# Altium PCB Main_PCB.PcbDoc (part 4 of 13)
Units mil, origin at the board's own origin, x right, y up, seen from the top; angles counter-clockwise.
Board outline 5200 x 6000 mil, 12 copper layers (Top (L1), Int1 (l2), Int2 (L3), Int3 (L4), Int4 (L5), Int5 (L6), Int6 (L7), Int7 (L8), Int8 (L9), Int9 (L10), Int10 (L11), Bot (L12)), stack 94.81 mil thick; 88 components, 424 nets, 1789 pads, 1684 vias.
Unrouted connection lines stored in the file: 914.
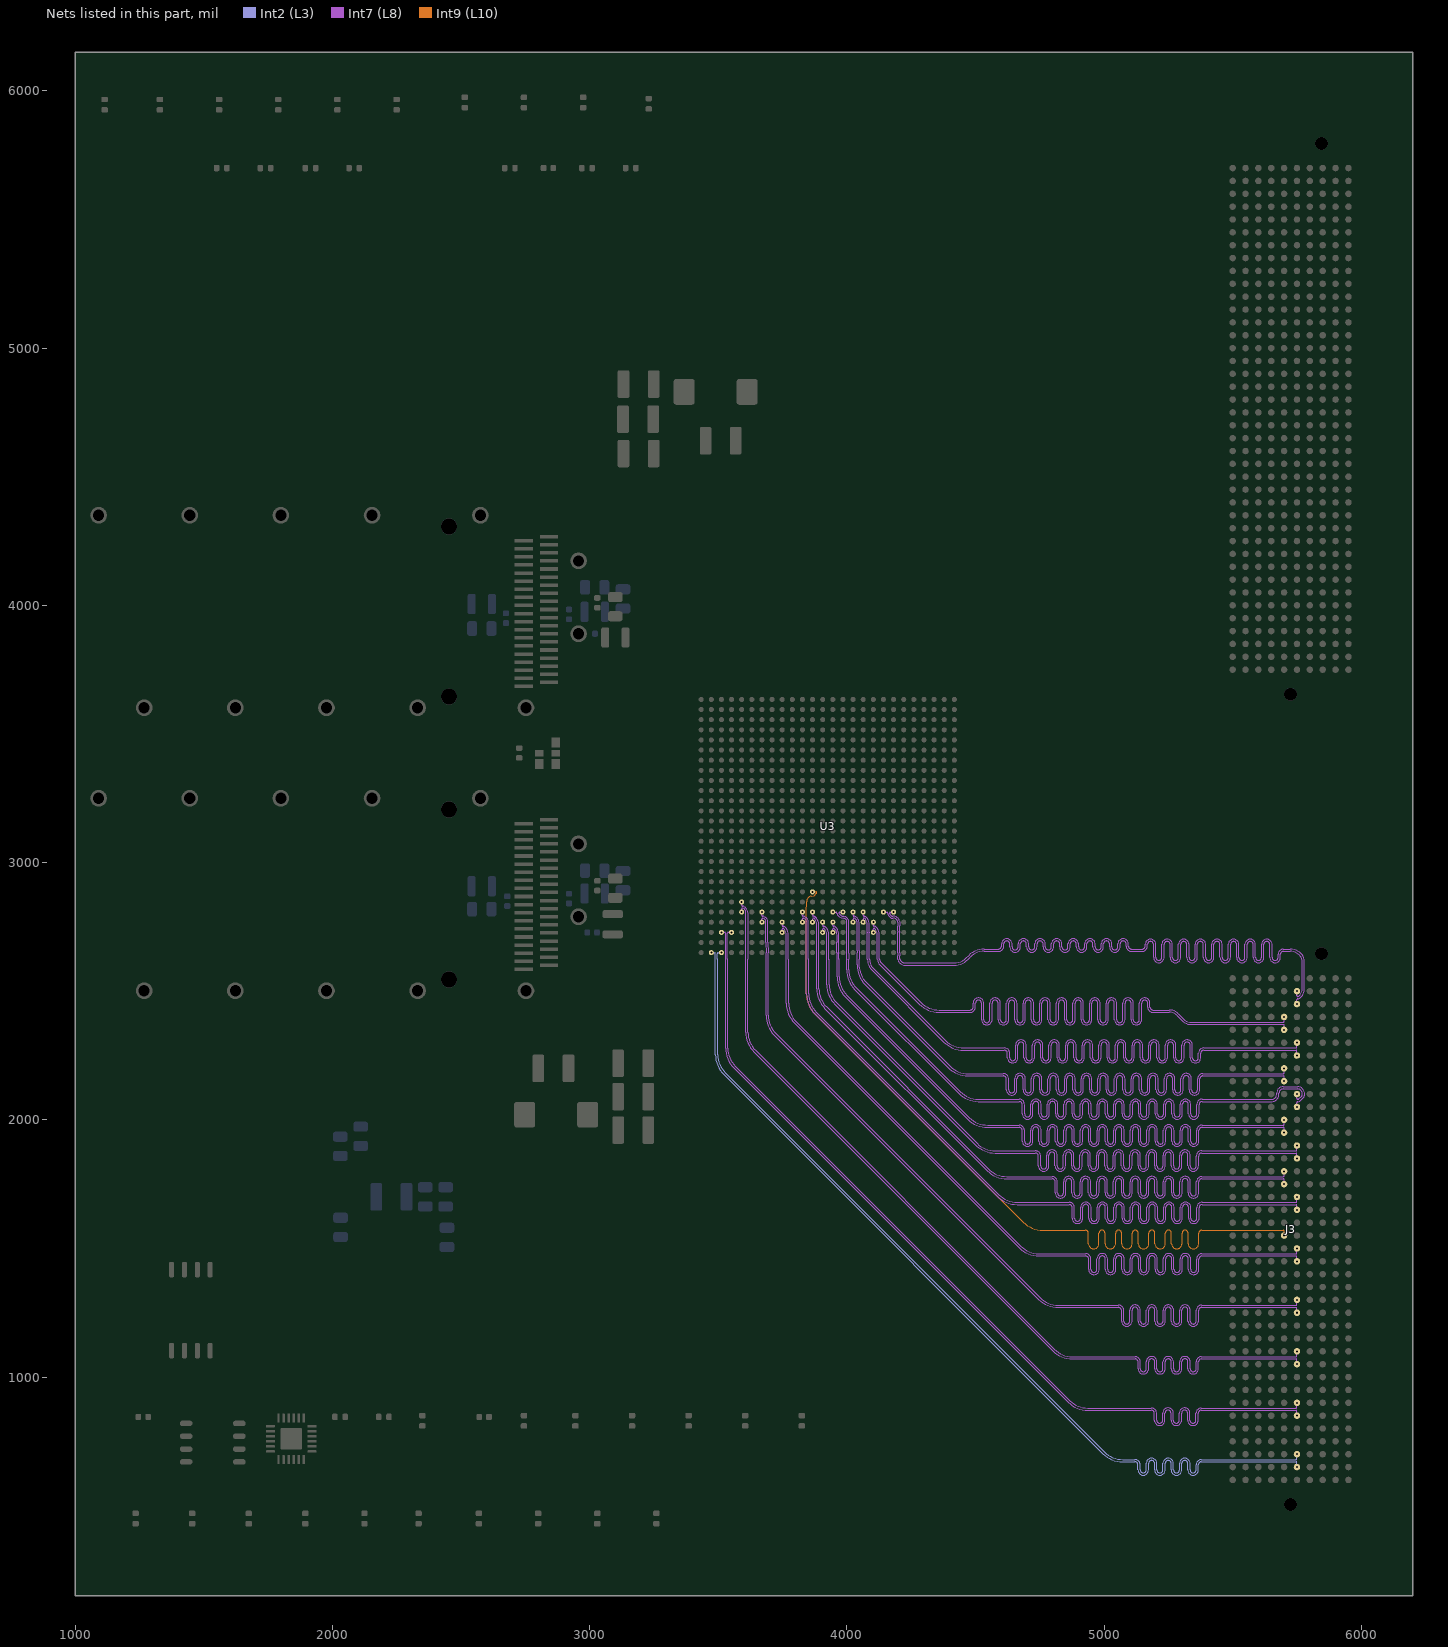
[diagram p14: the nets of this part, all layers, seen from the top]

## Via types
v1: diameter 13.78, hole 7.87, Top (L1) to Bot (L12), tented both sides, 1680 vias
v2: diameter 19.68, hole 7.87, Top (L1) to Bot (L12), tented both sides, 4 vias

## Nets (pads, with @x,y where several pads share a name; then routed paths per layer and width w, separated by ;. In a path a pad name is that pad's centre, name@x,y a point inside that pad or via, vN(x,y) a via of type N, cw(c..) or ccw(c..) an arc to the next point about the centre after c; other vN are vias at no path point) (continued)
HPCC_A_25_N: J3.E3 U3.AB20 | length 3581.2
  Int7 (L8) w3.5: v1(4181.89,2807.48) 4169.45,2807.48 ccw(c4169.45,2803.98) 4166.98,2806.46 ccw(c4169.46,2803.98) 4165.95,2803.98 ccw(c4174.4,2803.98) 4168.43,2798.01 4174.57,2791.86 ccw(c4177.03,2794.35) 4177.65,2790.91 cw(c4181.89,2768.11) 4205.04,2769.5 4205.98,2753.75 cw(c4195,2753.07) 4206,2753.22 cw(c4198.5,2753.1) 4206,2753.13 4206,2733.46 cw(c4195,2733.5) 4205.83,2731.57 ccw(c4221.26,2728.74) 4205.57,2728.74 4205.57,2650 ccw(c4221.26,2650) 4205.58,2649.41 4205.99,2637.32 4205.99,2636.89 ; 4205.99,2636.87 4205.99,2625 4206.23,2624.76 cw(c4203.68,2622.2) 4207.29,2622.2 ccw(c4210.91,2622.2) 4208.35,2619.65 4213,2615 ccw(c4225.07,2627.07) 4225.07,2610 4416.72,2610 ccw(c4416.72,2678.28) 4465,2630 4473.2,2638.2 cw(c4535,2576.41) 4535,2663.8 4583.53,2663.8 4589.68,2663.8 ccw(c4589.68,2675.55) 4601.43,2675.55 4601.43,2683.73 cw(c4621.98,2683.73) 4642.53,2683.73 4642.53,2672.12 ccw(c4654.28,2672.12) 4666.03,2672.12 4666.03,2683.73 cw(c4686.58,2683.73) 4707.13,2683.73 4707.13,2672.12 ccw(c4718.88,2672.12) 4730.63,2672.12 4730.63,2683.73 cw(c4751.18,2683.73) 4771.73,2683.73 4771.73,2672.12 ccw(c4783.48,2672.12) 4795.23,2672.12 4795.23,2683.73 cw(c4815.78,2683.73) 4836.33,2683.73 4836.33,2672.12 ccw(c4848.08,2672.12) 4859.83,2672.12 4859.83,2683.73 cw(c4880.38,2683.73) 4900.93,2683.73 4900.93,2672.12 ccw(c4912.68,2672.12) 4924.43,2672.12 4924.43,2683.73 cw(c4944.98,2683.73) 4965.53,2683.73 4965.53,2672.12 ccw(c4977.28,2672.12) 4989.03,2672.12 4989.03,2683.73 cw(c5009.58,2683.73) 5030.13,2683.73 5030.13,2672.12 ccw(c5041.88,2672.12) 5053.63,2672.12 5053.63,2683.73 cw(c5074.18,2683.73) 5094.73,2683.73 5094.73,2675.55 ccw(c5106.48,2675.55) 5106.48,2663.8 5135.42,2663.8 5142.16,2663.8 5148.31,2663.8 ccw(c5148.31,2675.55) 5160.06,2675.55 5160.06,2681.65 cw(c5180.61,2681.65) 5201.16,2681.65 5201.16,2631.32 ccw(c5212.91,2631.32) 5224.66,2631.32 5224.66,2681.65 cw(c5245.21,2681.65) 5265.76,2681.65 5265.76,2631.32 ccw(c5277.51,2631.32) 5289.26,2631.32 5289.26,2681.65 cw(c5309.81,2681.65) 5330.36,2681.65 5330.36,2631.32 ccw(c5342.11,2631.32) 5353.86,2631.32 5353.86,2681.65 cw(c5374.41,2681.65) 5394.96,2681.65 5394.96,2631.32 ccw(c5406.71,2631.32) 5418.46,2631.32 5418.46,2681.65 cw(c5439.01,2681.65) 5459.56,2681.65 5459.56,2631.32 ccw(c5471.31,2631.32) 5483.06,2631.32 5483.06,2681.65 cw(c5503.61,2681.65) 5524.16,2681.65 5524.16,2631.32 ccw(c5535.91,2631.32) 5547.66,2631.32 5547.66,2681.65 cw(c5568.21,2681.65) 5588.76,2681.65 5588.76,2631.32 ccw(c5600.51,2631.32) 5612.26,2631.32 5612.26,2681.65 cw(c5632.81,2681.65) 5653.36,2681.65 5653.36,2631.32 ccw(c5665.11,2631.32) 5676.86,2631.32 5676.86,2643.25 cw(c5697.41,2643.25) 5697.41,2663.8 5723,2663.8 5723.79,2663.8 cw(c5723.79,2603.79) 5766.22,2646.22 cw(c5735.86,2615.86) 5778.8,2615.86 5778.8,2505 cw(c5744.53,2505) 5768.76,2480.77 5762.2,2474.2 cw(c5753.5,2482.9) 5753.5,2470.6 ccw(c5753.5,2467.1) 5751.03,2469.57 ccw(c5753.5,2467.1) 5750,2467.1 v1(5750,2450)
HPCC_A_25_P: J3.E2 U3.AB19 | length 3566.7
  Int7 (L8) w3.5: v1(4142.52,2807.48) 4154.95,2807.48 cw(c4154.95,2803.98) 4157.43,2806.46 cw(c4154.95,2803.98) 4158.45,2803.98 ; 4158.45,2803.94 ccw(c4174.31,2803.94) 4163.1,2792.73 ; 4163.13,2792.7 4169.28,2786.55 ccw(c4177.03,2794.35) 4179,2783.53 cw(c4181.89,2768.11) 4197.55,2768.99 4198.49,2753.28 cw(c4195,2753.07) 4198.5,2753.1 4198.5,2733.47 cw(c4195,2733.5) 4198.45,2732.9 ccw(c4221.26,2728.74) 4198.07,2728.74 4198.07,2650 ccw(c4221.26,2650) 4198.09,2649.15 4198.5,2637.06 4198.49,2634.22 4198.49,2625 ccw(c4217.66,2625) 4204.11,2611.45 4206.78,2608.78 ; 4206.78,2608.77 ccw(c4225.07,2627.07) 4225.07,2601.2 4416.72,2601.2 ccw(c4416.72,2678.28) 4471.22,2623.78 4479.43,2631.98 cw(c4535,2576.41) 4535,2655 4583.53,2655 4589.68,2655 ccw(c4589.68,2675.55) 4610.23,2675.55 4610.23,2683.73 cw(c4621.98,2683.73) 4633.73,2683.73 4633.73,2672.12 ccw(c4654.28,2672.12) 4674.83,2672.12 4674.83,2683.73 cw(c4686.58,2683.73) 4698.33,2683.73 4698.33,2672.12 ccw(c4718.88,2672.12) 4739.43,2672.12 4739.43,2683.73 cw(c4751.18,2683.73) 4762.93,2683.73 4762.93,2672.12 ccw(c4783.48,2672.12) 4804.03,2672.12 4804.03,2683.73 cw(c4815.78,2683.73) 4827.53,2683.73 4827.53,2672.12 ccw(c4848.08,2672.12) 4868.63,2672.12 4868.63,2683.73 cw(c4880.38,2683.73) 4892.13,2683.73 4892.13,2672.12 ccw(c4912.68,2672.12) 4933.23,2672.12 4933.23,2683.73 cw(c4944.98,2683.73) 4956.73,2683.73 4956.73,2672.12 ccw(c4977.28,2672.12) 4997.83,2672.12 4997.83,2683.73 cw(c5009.58,2683.73) 5021.33,2683.73 5021.33,2672.12 ccw(c5041.88,2672.12) 5062.43,2672.12 5062.43,2683.73 cw(c5074.18,2683.73) 5085.93,2683.73 5085.93,2675.55 ccw(c5106.48,2675.55) 5106.48,2655 5135.42,2655 5142.16,2655 5148.31,2655 ccw(c5148.31,2675.55) 5168.86,2675.55 5168.86,2681.65 cw(c5180.61,2681.65) 5192.36,2681.65 5192.36,2631.32 ccw(c5212.91,2631.32) 5233.46,2631.32 5233.46,2681.65 cw(c5245.21,2681.65) 5256.96,2681.65 5256.96,2631.32 ccw(c5277.51,2631.32) 5298.06,2631.32 5298.06,2681.65 cw(c5309.81,2681.65) 5321.56,2681.65 5321.56,2631.32 ccw(c5342.11,2631.32) 5362.66,2631.32 5362.66,2681.65 cw(c5374.41,2681.65) 5386.16,2681.65 5386.16,2631.32 ccw(c5406.71,2631.32) 5427.26,2631.32 5427.26,2681.65 cw(c5439.01,2681.65) 5450.76,2681.65 5450.76,2631.32 ccw(c5471.31,2631.32) 5491.86,2631.32 5491.86,2681.65 cw(c5503.61,2681.65) 5515.36,2681.65 5515.36,2631.32 ccw(c5535.91,2631.32) 5556.46,2631.32 5556.46,2681.65 cw(c5568.21,2681.65) 5579.96,2681.65 5579.96,2631.32 ccw(c5600.51,2631.32) 5621.06,2631.32 5621.06,2681.65 cw(c5632.81,2681.65) 5644.56,2681.65 5644.56,2631.32 ccw(c5665.11,2631.32) 5685.66,2631.32 5685.66,2643.25 cw(c5697.41,2643.25) 5697.41,2655 5723,2655 5723.79,2655 cw(c5723.79,2603.79) 5760,2640 cw(c5735.86,2615.86) 5770,2615.86 5770,2505 cw(c5744.53,2505) 5762.54,2486.99 5755.97,2480.43 ; v1(5750,2500) 5750,2482.9 ccw(c5753.5,2482.9) 5751.03,2480.43 ccw(c5753.5,2482.9) 5753.5,2479.4 ccw(c5753.5,2482.9) 5755.97,2480.42
HPCC_A_26_N: J3.E7 U3.AC17 | length 3568.3
  Int7 (L8) w3.5: v1(4063.78,2768.11) 4063.78,2780.55 cw(c4067.28,2780.55) 4064.8,2783.02 cw(c4067.28,2780.55) 4067.28,2784.05 cw(c4067.28,2780.55) 4069.75,2783.02 cw(c4045.02,2758.29) 4080,2758.29 4080,2730.15 cw(c4076.5,2730.15) 4080,2729.97 ccw(c4103.15,2728.74) 4079.97,2728.02 cw(c4076.48,2727.86) 4079.98,2727.86 4079.98,2690.23 cw(c4076.48,2690.26) 4079.98,2690.16 ccw(c4103.15,2689.37) 4079.96,2689.37 4079.96,2650 ; 4079.98,2649.14 ccw(c4076.48,2649.11) 4079.98,2649.21 cw(c4103.15,2650) 4079.96,2650 ; 5466.35,2270.6 5413.08,2270.6 5387.65,2270.6 ccw(c5387.65,2258.85) 5375.9,2258.85 5375.9,2241.77 cw(c5355.35,2241.77) 5334.8,2241.77 5334.8,2290.26 ccw(c5323.05,2290.26) 5311.3,2290.26 5311.3,2241.77 cw(c5290.75,2241.77) 5270.2,2241.77 5270.2,2290.26 ccw(c5258.45,2290.26) 5246.7,2290.26 5246.7,2241.77 cw(c5226.15,2241.77) 5205.6,2241.77 5205.6,2290.26 ccw(c5193.85,2290.26) 5182.1,2290.26 5182.1,2241.77 cw(c5161.55,2241.77) 5141,2241.77 5141,2290.26 ccw(c5129.25,2290.26) 5117.5,2290.26 5117.5,2241.77 cw(c5096.95,2241.77) 5076.4,2241.77 5076.4,2290.26 ccw(c5064.65,2290.26) 5052.9,2290.26 5052.9,2241.77 cw(c5032.35,2241.77) 5011.8,2241.77 5011.8,2290.26 ccw(c5000.05,2290.26) 4988.3,2290.26 4988.3,2241.77 cw(c4967.75,2241.77) 4947.2,2241.77 4947.2,2290.26 ccw(c4935.45,2290.26) 4923.7,2290.26 4923.7,2241.77 cw(c4903.15,2241.77) 4882.6,2241.77 4882.6,2290.26 ccw(c4870.85,2290.26) 4859.1,2290.26 4859.1,2241.77 cw(c4838.55,2241.77) 4818,2241.77 4818,2290.26 ccw(c4806.25,2290.26) 4794.5,2290.26 4794.5,2241.77 cw(c4773.95,2241.77) 4753.4,2241.77 4753.4,2290.26 ccw(c4741.65,2290.26) 4729.9,2290.26 4729.9,2241.77 cw(c4709.35,2241.77) 4688.8,2241.77 4688.8,2290.26 ccw(c4677.05,2290.26) 4665.3,2290.26 4665.3,2241.77 cw(c4644.75,2241.77) 4624.2,2241.77 4624.2,2258.85 ccw(c4612.45,2258.85) 4612.45,2270.6 4574,2270.6 4454.02,2270.6 cw(c4454.02,2379.4) 4377.09,2302.47 4097.93,2581.63 cw(c4141.3,2625) 4079.96,2625 4079.96,2650 ; 5467.13,2270.6 5746.5,2270.6 cw(c5746.5,2267.1) 5748.97,2269.57 cw(c5746.5,2267.1) 5750,2267.1 v1(5750,2250)
HPCC_A_26_P: J3.E6 U3.AB17 | length 3567.8
  Int7 (L8) w3.5: v1(4063.78,2807.48) 4063.78,2795.05 ccw(c4067.28,2795.05) 4064.8,2792.57 ccw(c4067.28,2795.05) 4067.28,2791.55 4067.33,2791.55 cw(c4067.33,2780.67) 4075.02,2788.36 4075.09,2788.3 cw(c4045.11,2758.32) 4087.5,2758.32 4087.5,2730.15 cw(c4076.5,2730.15) 4087.48,2729.58 ccw(c4103.15,2728.74) 4087.48,2728 4087.48,2690.22 cw(c4076.48,2690.26) 4087.47,2689.92 ccw(c4103.15,2689.37) 4087.46,2689.37 4087.46,2650 ; 4087.48,2649.16 ccw(c4076.48,2649.11) 4087.47,2649.45 cw(c4103.15,2650) 4087.46,2650 ; v1(5750,2300) 5750,2282.9 cw(c5746.5,2282.9) 5748.97,2280.43 cw(c5746.5,2282.9) 5746.5,2279.4 5413.08,2279.4 5387.65,2279.4 ccw(c5387.65,2258.85) 5367.1,2258.85 5367.1,2241.77 cw(c5355.35,2241.77) 5343.6,2241.77 5343.6,2290.26 ccw(c5323.05,2290.26) 5302.5,2290.26 5302.5,2241.77 cw(c5290.75,2241.77) 5279,2241.77 5279,2290.26 ccw(c5258.45,2290.26) 5237.9,2290.26 5237.9,2241.77 cw(c5226.15,2241.77) 5214.4,2241.77 5214.4,2290.26 ccw(c5193.85,2290.26) 5173.3,2290.26 5173.3,2241.77 cw(c5161.55,2241.77) 5149.8,2241.77 5149.8,2290.26 ccw(c5129.25,2290.26) 5108.7,2290.26 5108.7,2241.77 cw(c5096.95,2241.77) 5085.2,2241.77 5085.2,2290.26 ccw(c5064.65,2290.26) 5044.1,2290.26 5044.1,2241.77 cw(c5032.35,2241.77) 5020.6,2241.77 5020.6,2290.26 ccw(c5000.05,2290.26) 4979.5,2290.26 4979.5,2241.77 cw(c4967.75,2241.77) 4956,2241.77 4956,2290.26 ccw(c4935.45,2290.26) 4914.9,2290.26 4914.9,2241.77 cw(c4903.15,2241.77) 4891.4,2241.77 4891.4,2290.26 ccw(c4870.85,2290.26) 4850.3,2290.26 4850.3,2241.77 cw(c4838.55,2241.77) 4826.8,2241.77 4826.8,2290.26 ccw(c4806.25,2290.26) 4785.7,2290.26 4785.7,2241.77 cw(c4773.95,2241.77) 4762.2,2241.77 4762.2,2290.26 ccw(c4741.65,2290.26) 4721.1,2290.26 4721.1,2241.77 cw(c4709.35,2241.77) 4697.6,2241.77 4697.6,2290.26 ccw(c4677.05,2290.26) 4656.5,2290.26 4656.5,2241.77 cw(c4644.75,2241.77) 4633,2241.77 4633,2258.85 ccw(c4612.45,2258.85) 4612.45,2279.4 4574,2279.4 4454.02,2279.4 cw(c4454.02,2379.4) 4383.31,2308.69 4101.93,2590.07 cw(c4133.73,2621.86) 4088.76,2621.86 ccw(c4084.32,2621.86) 4087.46,2625 4087.46,2649.16 4087.46,2650
HPCC_A_27_N: J3.E11 U3.AB15 | length 3581.1
  Int7 (L8) w3.5: v1(3985.04,2807.48) 3972.6,2807.48 ccw(c3972.6,2803.98) 3969.74,2801.97 3972.2,2798.46 ccw(c3985.04,2807.48) 3982.56,2791.99 3988.71,2791.01 cw(c3985.04,2768.11) 4008.23,2768.11 4008.23,2728.74 cw(c3985.04,2728.74) 4008.05,2725.87 cw(c3985.04,2728.74) 4008,2725.51 4008,2692.81 ccw(c4011.5,2692.84) 4008.03,2692.41 cw(c3985.04,2689.37) 4008.23,2689.37 4008.23,2650 cw(c3985.04,2650) 4008.03,2646.96 ccw(c4011.5,2646.53) 4008,2646.56 4008,2625 4008,2583.42 ccw(c4108,2583.42) 4037.29,2512.71 4440.71,2109.29 ccw(c4511.42,2180) 4511.42,2080 4632,2080 4670.45,2080 cw(c4670.45,2059.45) 4691,2059.45 4691,2022.88 ccw(c4702.75,2022.88) 4714.5,2022.88 4714.5,2059.6 cw(c4735.05,2059.6) 4755.6,2059.6 4755.6,2022.88 ccw(c4767.35,2022.88) 4779.1,2022.88 4779.1,2059.6 cw(c4799.65,2059.6) 4820.2,2059.6 4820.2,2022.88 ccw(c4831.95,2022.88) 4843.7,2022.88 4843.7,2059.6 cw(c4864.25,2059.6) 4884.8,2059.6 4884.8,2022.88 ccw(c4896.55,2022.88) 4908.3,2022.88 4908.3,2059.6 cw(c4928.85,2059.6) 4949.4,2059.6 4949.4,2022.88 ccw(c4961.15,2022.88) 4972.9,2022.88 4972.9,2059.6 cw(c4993.45,2059.6) 5014,2059.6 5014,2022.88 ccw(c5025.75,2022.88) 5037.5,2022.88 5037.5,2059.6 cw(c5058.05,2059.6) 5078.6,2059.6 5078.6,2022.88 ccw(c5090.35,2022.88) 5102.1,2022.88 5102.1,2059.6 cw(c5122.65,2059.6) 5143.2,2059.6 5143.2,2022.88 ccw(c5154.95,2022.88) 5166.7,2022.88 5166.7,2059.6 cw(c5187.25,2059.6) 5207.8,2059.6 5207.8,2022.88 ccw(c5219.55,2022.88) 5231.3,2022.88 5231.3,2059.6 cw(c5251.85,2059.6) 5272.4,2059.6 5272.4,2022.88 ccw(c5284.15,2022.88) 5295.9,2022.88 5295.9,2059.6 cw(c5316.45,2059.6) 5337,2059.6 5337,2022.88 ccw(c5348.75,2022.88) 5360.5,2022.88 5360.5,2059.45 cw(c5381.05,2059.45) 5381.05,2080 5415.54,2080 5652.93,2080 ccw(c5652.93,2097.07) 5665,2085 ccw(c5650.03,2099.97) 5671.2,2099.97 5671.2,2102.93 cw(c5697.07,2102.93) 5678.78,2121.22 cw(c5697.07,2102.93) 5697.07,2128.8 5752.93,2128.8 cw(c5752.93,2102.93) 5771.22,2121.22 cw(c5750.51,2100.51) 5779.8,2100.51 5779.8,2099 cw(c5760.49,2099) 5774.14,2085.34 5763.56,2074.76 cw(c5753.5,2084.84) 5753.5,2070.6 ccw(c5753.5,2067.1) 5751.03,2069.57 ccw(c5753.5,2067.1) 5750,2067.1 v1(5750,2050)
HPCC_A_27_P: J3.E10 U3.AB14 | length 3566.4
  Int7 (L8) w3.5: v1(3945.67,2807.48) 3958.1,2807.48 cw(c3958.1,2803.98) 3961.6,2803.98 ccw(c3972.6,2803.98) 3963.6,2797.66 3966.07,2794.15 ccw(c3985.04,2807.48) 3981.37,2784.59 3987.52,2783.6 cw(c3985.04,2768.11) 4000.73,2768.11 4000.73,2728.74 cw(c3985.04,2728.74) 4000.45,2725.82 4000.5,2725.77 4000.5,2692.78 ccw(c4011.5,2692.84) 4000.59,2691.44 cw(c3985.04,2689.37) 4000.73,2689.37 4000.73,2650 cw(c3985.04,2650) 4000.59,2647.94 ccw(c4011.5,2646.53) 4000.5,2646.6 4000.5,2625 ccw(c4003.64,2621.86) 3999.2,2621.86 3999.2,2583.42 ccw(c4108,2583.42) 4031.07,2506.49 4032.2,2505.36 ; 4033.07,2504.49 4434.49,2103.07 ccw(c4511.42,2180) 4511.42,2071.2 4632,2071.2 4670.45,2071.2 cw(c4670.45,2059.45) 4682.2,2059.45 4682.2,2022.88 ccw(c4702.75,2022.88) 4723.3,2022.88 4723.3,2059.6 cw(c4735.05,2059.6) 4746.8,2059.6 4746.8,2022.88 ccw(c4767.35,2022.88) 4787.9,2022.88 4787.9,2059.6 cw(c4799.65,2059.6) 4811.4,2059.6 4811.4,2022.88 ccw(c4831.95,2022.88) 4852.5,2022.88 4852.5,2059.6 cw(c4864.25,2059.6) 4876,2059.6 4876,2022.88 ccw(c4896.55,2022.88) 4917.1,2022.88 4917.1,2059.6 cw(c4928.85,2059.6) 4940.6,2059.6 4940.6,2022.88 ccw(c4961.15,2022.88) 4981.7,2022.88 4981.7,2059.6 cw(c4993.45,2059.6) 5005.2,2059.6 5005.2,2022.88 ccw(c5025.75,2022.88) 5046.3,2022.88 5046.3,2059.6 cw(c5058.05,2059.6) 5069.8,2059.6 5069.8,2022.88 ccw(c5090.35,2022.88) 5110.9,2022.88 5110.9,2059.6 cw(c5122.65,2059.6) 5134.4,2059.6 5134.4,2022.88 ccw(c5154.95,2022.88) 5175.5,2022.88 5175.5,2059.6 cw(c5187.25,2059.6) 5199,2059.6 5199,2022.88 ccw(c5219.55,2022.88) 5240.1,2022.88 5240.1,2059.6 cw(c5251.85,2059.6) 5263.6,2059.6 5263.6,2022.88 ccw(c5284.15,2022.88) 5304.7,2022.88 5304.7,2059.6 cw(c5316.45,2059.6) 5328.2,2059.6 5328.2,2022.88 ccw(c5348.75,2022.88) 5369.3,2022.88 5369.3,2059.45 cw(c5381.05,2059.45) 5381.05,2071.2 5415.54,2071.2 5652.93,2071.2 ccw(c5652.93,2097.07) 5671.22,2078.78 ccw(c5650.03,2099.97) 5680,2099.97 5680,2102.93 cw(c5697.07,2102.93) 5685,2115 cw(c5697.07,2102.93) 5697.07,2120 5752.93,2120 cw(c5752.93,2102.93) 5765,2115 cw(c5750.51,2100.51) 5771,2100.51 5771,2099 cw(c5760.49,2099) 5767.92,2091.57 5757.34,2080.99 cw(c5753.5,2084.84) 5753.5,2079.4 cw(c5753.5,2082.9) 5751.03,2080.43 cw(c5753.5,2082.9) 5750,2082.9 v1(5750,2100)
HPCC_A_28_N: J3.E15 U3.AD13 | length 3576.6
  Int7 (L8) w3.5: v1(3906.3,2728.74) 3906.3,2741.18 cw(c3909.8,2741.18) 3907.32,2743.65 cw(c3909.8,2741.18) 3909.8,2744.68 cw(c3909.8,2741.18) 3912.27,2743.65 cw(c3888.79,2720.17) 3922,2720.17 3922,2525.62 ccw(c4030.8,2525.62) 3953.87,2448.69 4500.09,1902.47 ccw(c4577.02,1979.4) 4577.02,1870.6 4694.52,1870.6 4732.97,1870.6 cw(c4732.97,1858.85) 4744.72,1858.85 4744.72,1820.57 ccw(c4765.27,1820.57) 4785.82,1820.57 4785.82,1862.49 cw(c4797.57,1862.49) 4809.32,1862.49 4809.32,1820.57 ccw(c4829.87,1820.57) 4850.42,1820.57 4850.42,1862.49 cw(c4862.17,1862.49) 4873.92,1862.49 4873.92,1820.57 ccw(c4894.47,1820.57) 4915.02,1820.57 4915.02,1862.49 cw(c4926.77,1862.49) 4938.52,1862.49 4938.52,1820.57 ccw(c4959.07,1820.57) 4979.62,1820.57 4979.62,1862.49 cw(c4991.37,1862.49) 5003.12,1862.49 5003.12,1820.57 ccw(c5023.67,1820.57) 5044.22,1820.57 5044.22,1862.49 cw(c5055.97,1862.49) 5067.72,1862.49 5067.72,1820.57 ccw(c5088.27,1820.57) 5108.82,1820.57 5108.82,1862.49 cw(c5120.57,1862.49) 5132.32,1862.49 5132.32,1820.57 ccw(c5152.87,1820.57) 5173.42,1820.57 5173.42,1862.49 cw(c5185.17,1862.49) 5196.92,1862.49 5196.92,1820.57 ccw(c5217.47,1820.57) 5238.02,1820.57 5238.02,1862.49 cw(c5249.77,1862.49) 5261.52,1862.49 5261.52,1820.57 ccw(c5282.07,1820.57) 5302.62,1820.57 5302.62,1862.49 cw(c5314.37,1862.49) 5326.12,1862.49 5326.12,1820.57 ccw(c5346.67,1820.57) 5367.22,1820.57 5367.22,1858.85 cw(c5378.97,1858.85) 5378.97,1870.6 5415,1870.6 5746.5,1870.6 cw(c5746.5,1867.1) 5748.97,1869.57 cw(c5746.5,1867.1) 5750,1867.1 v1(5750,1850)
HPCC_A_28_P: J3.E14 U3.AC13 | length 3574.9
  Int7 (L8) w3.5: v1(3906.3,2768.11) 3906.3,2755.68 ccw(c3909.8,2755.68) 3907.32,2753.2 ccw(c3909.8,2755.68) 3909.8,2752.18 3909.85,2752.18 cw(c3909.85,2741.3) 3917.54,2748.99 3917.6,2748.93 cw(c3888.89,2720.21) 3929.5,2720.21 3929.5,2625 cw(c3926.36,2621.86) 3930.8,2621.86 3930.8,2525.62 ccw(c4030.8,2525.62) 3960.09,2454.91 4506.31,1908.69 ccw(c4577.02,1979.4) 4577.02,1879.4 4694.52,1879.4 4732.97,1879.4 cw(c4732.97,1858.85) 4753.52,1858.85 4753.52,1820.57 ccw(c4765.27,1820.57) 4777.02,1820.57 4777.02,1862.49 cw(c4797.57,1862.49) 4818.12,1862.49 4818.12,1820.57 ccw(c4829.87,1820.57) 4841.62,1820.57 4841.62,1862.49 cw(c4862.17,1862.49) 4882.72,1862.49 4882.72,1820.57 ccw(c4894.47,1820.57) 4906.22,1820.57 4906.22,1862.49 cw(c4926.77,1862.49) 4947.32,1862.49 4947.32,1820.57 ccw(c4959.07,1820.57) 4970.82,1820.57 4970.82,1862.49 cw(c4991.37,1862.49) 5011.92,1862.49 5011.92,1820.57 ccw(c5023.67,1820.57) 5035.42,1820.57 5035.42,1862.49 cw(c5055.97,1862.49) 5076.52,1862.49 5076.52,1820.57 ccw(c5088.27,1820.57) 5100.02,1820.57 5100.02,1862.49 cw(c5120.57,1862.49) 5141.12,1862.49 5141.12,1820.57 ccw(c5152.87,1820.57) 5164.62,1820.57 5164.62,1862.49 cw(c5185.17,1862.49) 5205.72,1862.49 5205.72,1820.57 ccw(c5217.47,1820.57) 5229.22,1820.57 5229.22,1862.49 cw(c5249.77,1862.49) 5270.32,1862.49 5270.32,1820.57 ccw(c5282.07,1820.57) 5293.82,1820.57 5293.82,1862.49 cw(c5314.37,1862.49) 5334.92,1862.49 5334.92,1820.57 ccw(c5346.67,1820.57) 5358.42,1820.57 5358.42,1858.85 cw(c5378.97,1858.85) 5378.97,1879.4 5415,1879.4 5746.5,1879.4 ccw(c5746.5,1882.9) 5748.97,1880.43 ccw(c5746.5,1882.9) 5750,1882.9 v1(5750,1900)
HPCC_A_29_N: J3.E19 U3.AC11 | length 3563.3
  Int7 (L8) w3.5: v1(3827.56,2768.11) 3827.56,2780.55 cw(c3831.06,2780.55) 3833.07,2783.41 3836.58,2780.95 cw(c3827.56,2768.11) 3843.25,2768.11 3843.25,2489.38 ccw(c3952.05,2489.38) 3875.11,2412.44 4585.09,1702.47 ccw(c4662.02,1779.4) 4662.02,1670.6 4826.05,1670.6 4864.5,1670.6 cw(c4864.5,1658.85) 4876.25,1658.85 4876.25,1617.59 ccw(c4896.8,1617.59) 4917.35,1617.59 4917.35,1659.42 cw(c4929.1,1659.42) 4940.85,1659.42 4940.85,1617.59 ccw(c4961.4,1617.59) 4981.95,1617.59 4981.95,1659.42 cw(c4993.7,1659.42) 5005.45,1659.42 5005.45,1617.59 ccw(c5026,1617.59) 5046.55,1617.59 5046.55,1659.42 cw(c5058.3,1659.42) 5070.05,1659.42 5070.05,1617.59 ccw(c5090.6,1617.59) 5111.15,1617.59 5111.15,1659.42 cw(c5122.9,1659.42) 5134.65,1659.42 5134.65,1617.59 ccw(c5155.2,1617.59) 5175.75,1617.59 5175.75,1659.42 cw(c5187.5,1659.42) 5199.25,1659.42 5199.25,1617.59 ccw(c5219.8,1617.59) 5240.35,1617.59 5240.35,1659.42 cw(c5252.1,1659.42) 5263.85,1659.42 5263.85,1617.59 ccw(c5284.4,1617.59) 5304.95,1617.59 5304.95,1659.42 cw(c5316.7,1659.42) 5328.45,1659.42 5328.45,1617.59 ccw(c5349,1617.59) 5369.55,1617.59 5369.55,1658.85 cw(c5381.3,1658.85) 5381.3,1670.6 5419,1670.6 5746.5,1670.6 cw(c5746.5,1667.1) 5748.97,1669.57 cw(c5746.5,1667.1) 5750,1667.1 v1(5750,1650)
HPCC_A_29_P: J3.E18 U3.AB11 | length 3561.6
  Int7 (L8) w3.5: v1(3827.56,2807.48) 3827.56,2795.05 ccw(c3831.06,2795.05) 3831.06,2791.55 cw(c3831.06,2780.55) 3837.38,2789.55 3840.93,2787.05 cw(c3827.56,2768.11) 3850.75,2768.11 3850.75,2625 cw(c3847.61,2621.86) 3852.05,2621.86 3852.05,2489.38 ccw(c3952.05,2489.38) 3881.34,2418.66 4591.31,1708.69 ccw(c4662.02,1779.4) 4662.02,1679.4 4826.05,1679.4 4864.5,1679.4 cw(c4864.5,1658.85) 4885.05,1658.85 4885.05,1617.59 ccw(c4896.8,1617.59) 4908.55,1617.59 4908.55,1659.42 cw(c4929.1,1659.42) 4949.65,1659.42 4949.65,1617.59 ccw(c4961.4,1617.59) 4973.15,1617.59 4973.15,1659.42 cw(c4993.7,1659.42) 5014.25,1659.42 5014.25,1617.59 ccw(c5026,1617.59) 5037.75,1617.59 5037.75,1659.42 cw(c5058.3,1659.42) 5078.85,1659.42 5078.85,1617.59 ccw(c5090.6,1617.59) 5102.35,1617.59 5102.35,1659.42 cw(c5122.9,1659.42) 5143.45,1659.42 5143.45,1617.59 ccw(c5155.2,1617.59) 5166.95,1617.59 5166.95,1659.42 cw(c5187.5,1659.42) 5208.05,1659.42 5208.05,1617.59 ccw(c5219.8,1617.59) 5231.55,1617.59 5231.55,1659.42 cw(c5252.1,1659.42) 5272.65,1659.42 5272.65,1617.59 ccw(c5284.4,1617.59) 5296.15,1617.59 5296.15,1659.42 cw(c5316.7,1659.42) 5337.25,1659.42 5337.25,1617.59 ccw(c5349,1617.59) 5360.75,1617.59 5360.75,1658.85 cw(c5381.3,1658.85) 5381.3,1679.4 5419,1679.4 5746.5,1679.4 ccw(c5746.5,1682.9) 5748.97,1680.43 ccw(c5746.5,1682.9) 5750,1682.9 v1(5750,1700)